# KiCad board SJ-201-R10.kicad_pcb (continued)
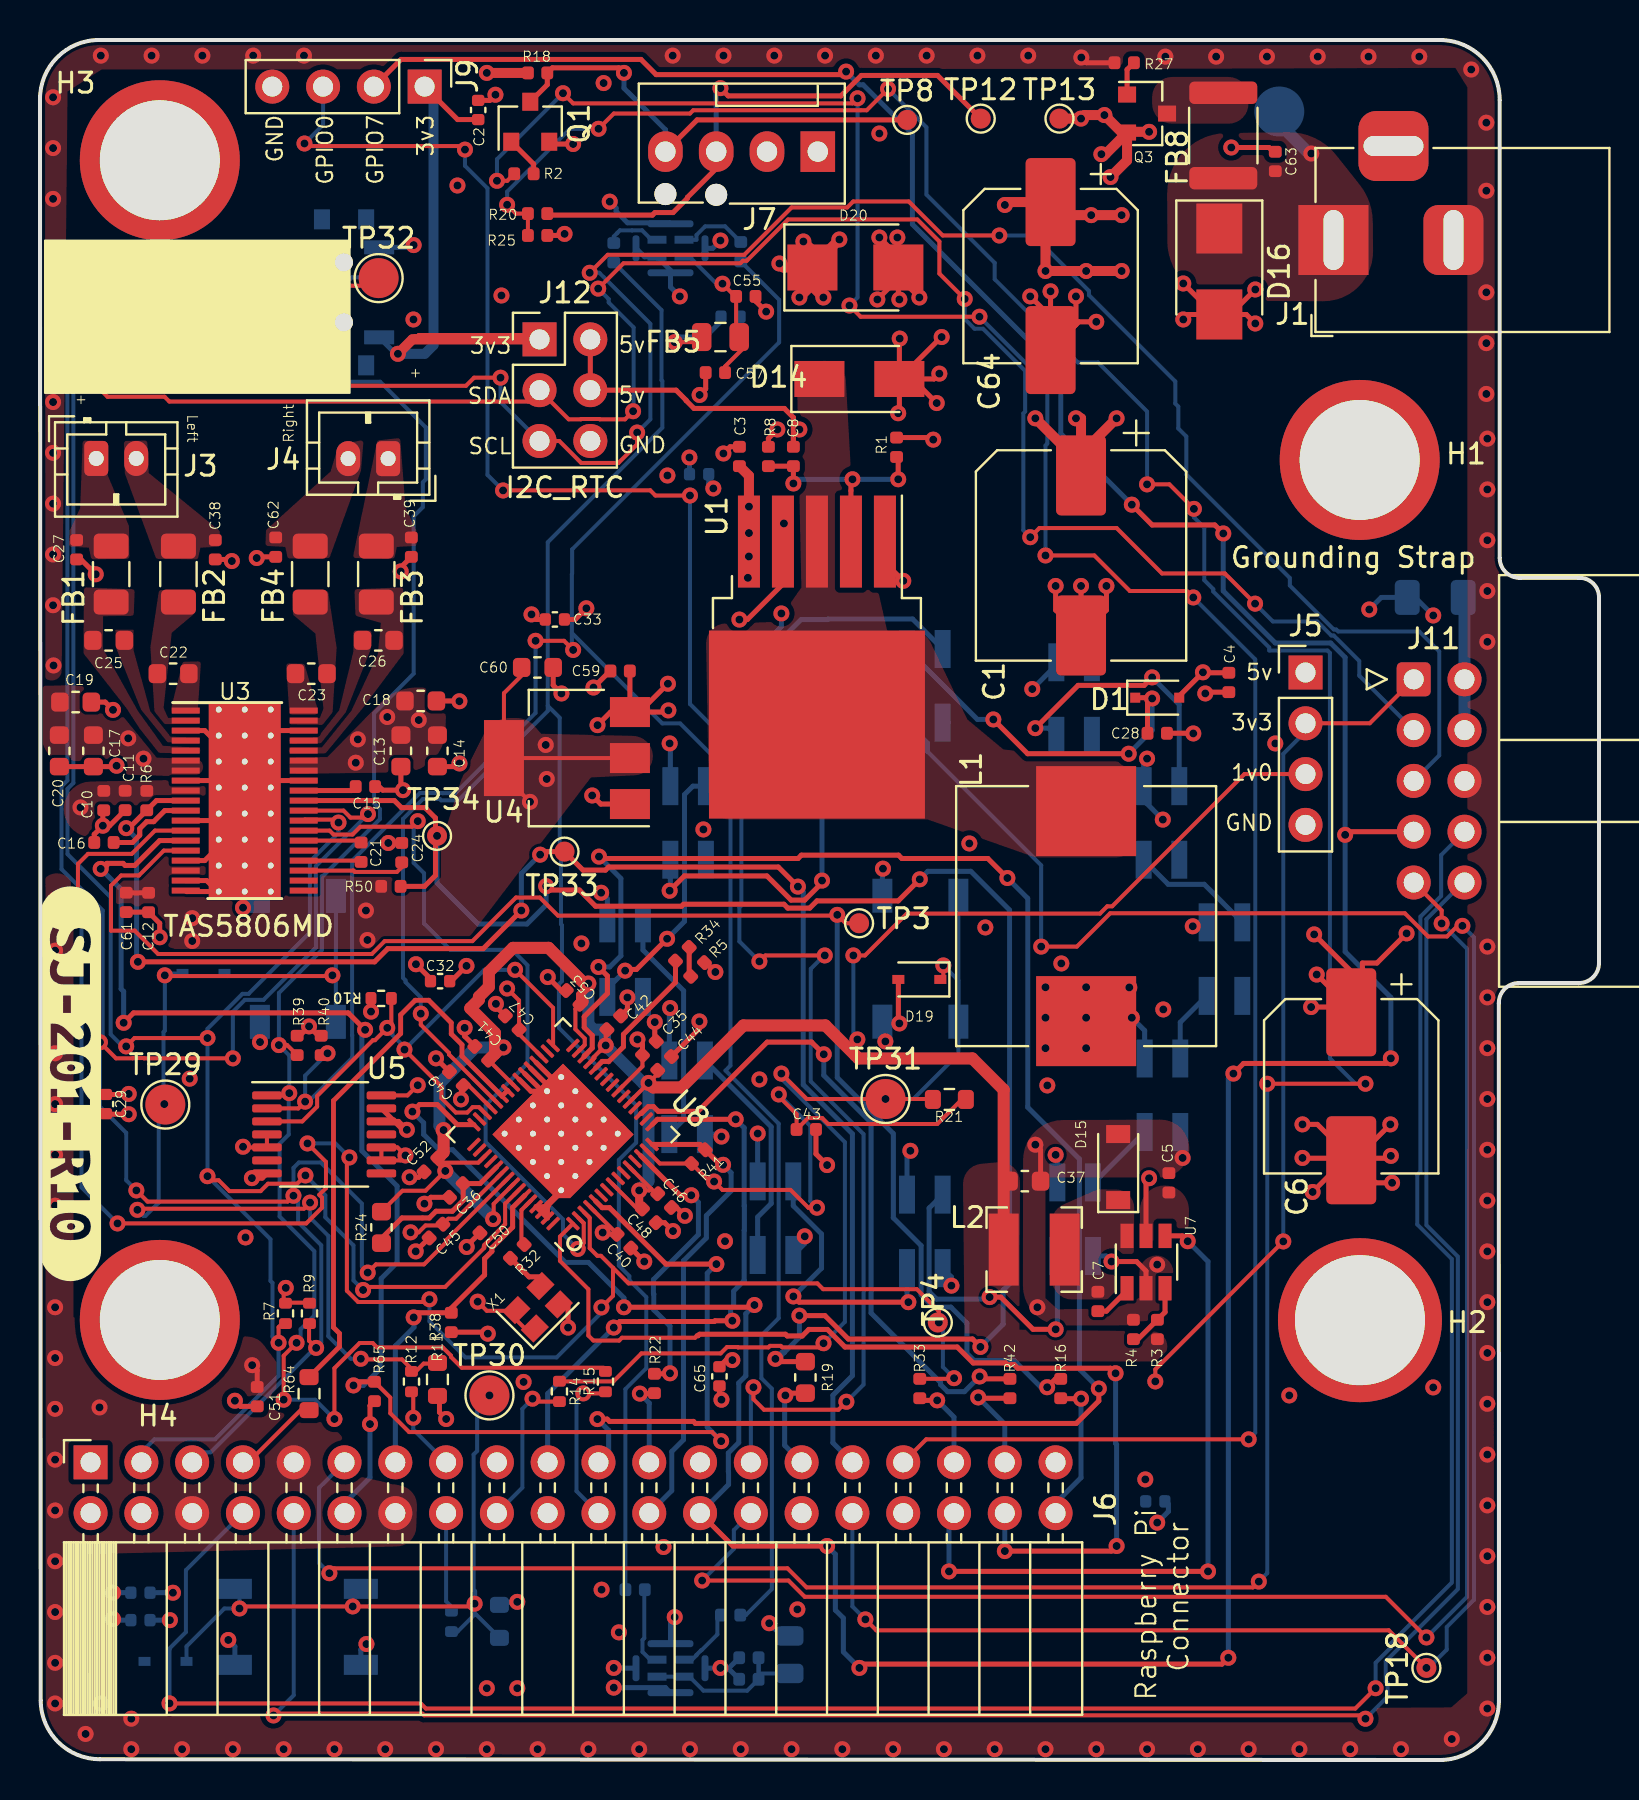
[diagram p0: board, top side]
## Routing (per net, layer and track width the routed paths; a pad name or vN(x,y) marks a point on that pad's centre or on a via; arc(x,y) is an arc through that point) (continued)
I2S_BCLK_PI: length 5.7
  Top w0.25: R65.1 16.5,17.72 v1(16.5,16.8)
  Bottom w0.25: v1(16.5,16.8) 16.5,14.12 15.23,12.84
I2S_DIN_AMP: length 77
  Top w0.2: TP3.1 40.29,41.84 v1(39.87,42.26) 39.83,42.22 25.9,42.22 25,43.13 23.8,43.13 21.62,40.95 17.24,40.95 16.59,40.3 5.91,40.3 4.74,41.47 3.55,41.47 3.55,43.72 4.06,44.23 4.95,44.23 6.19,45.47 U3.15
  Top w0.25: R16.2 50.79,19.06 v1(50.37,18.64)
  Bottom w0.25: v1(50.37,18.64) 50.06,18.64 48.72,19.98 46.71,19.98 46.36,20.33 46.36,21.84 45.56,22.65 44.68,22.65 44.06,23.26 44.06,25.72 42.68,27.11 42.68,31.32 39.87,34.13 v1(39.87,42.26)
I2S_DIN_PI: length 50.4
  Top w0.2: 32.86,21.22 32.76,21.11 29.11,21.11 28.96,20.97 27.68,20.97 27.43,21.22 27.43,23.54 26,24.96 26,26.17 U8.1
  Top w0.25: 32.86,21.22 32.91,21.22 32.99,21.29 37.28,21.29 37.37,21.2 38.12,21.2 38.45,21.53 39.38,21.53 40.26,20.65 45.87,20.65 46.67,19.85 48.29,19.85 48.37,19.77 48.71,19.77 48.89,19.59 53.54,19.59 v1(53.79,19.34) ; v1(53.84,10.7) 53.59,10.45 v1(48.25,10.45)
  Bottom w0.25: J6.38 48.25,10.45 v1(48.25,10.45) ; v1(53.79,19.34) 53.79,15.83 53.84,15.78 v1(53.84,10.7)
I2S_DIN_XMOS: length 36.3
  Top w0.2: U3.26 14.48,46.47 14.68,46.28 15.63,46.28 16.02,46.67 18.61,46.67 v1(18.89,46.95) ; U8.2 27.19,26.84 27.19,25.85 v1(26.89,25.56)
  Bottom w0.2: v1(18.89,46.95) 18.69,46.74 18.69,44.86 19.21,44.34 19.21,41.83 20.53,40.51 23.61,40.51 24.38,39.74 24.38,34.83 22.29,32.74 22.29,30.9 26.16,27.03 26.16,26.29 v1(26.89,25.56)
I2S_DOUT_PI: length 6.8
  Top w0.25: R16.1 51.07,18.07 v1(52.06,18.07)
  Bottom w0.25: 50.79,12.84 52.06,14.12 v1(52.06,18.07)
I2S_LRCK_AMP: length 92.7
  Top w0.2: 28.66,24.61 28.66,23.21 v1(28.08,22.63) ; 28.66,24.61 28.05,25.21 27.87,25.21 27.49,25.59 27.49,27.11 U8.3 ; 28.66,24.61 29.43,23.83 38.88,23.83 39.17,23.54 43.85,23.54 44.95,22.44 v1(44.95,21.88) ; v1(1.9,42.45) 1.9,44.81 2.4,45.31 4.59,45.31 5.75,46.47 U3.13 ; v1(13.38,30.83) 14.3,29.91 14.3,28.6 13.97,28.26 14.11,28.12 14.11,27.62 13.31,26.83 v1(3.88,26.83) ; v1(45.71,19.09) 45.68,19.06 R33.2 ; v1(19.48,23.04) 19.34,22.9 15.91,22.9 15.35,23.46 15.35,30.01 v1(15.47,30.13)
  Bottom w0.2: v1(19.48,23.04) 19.48,21.93 21.28,20.13 25.84,20.13 28.08,22.37 v1(28.08,22.63) ; v1(3.88,26.83) 2.08,28.63 2.08,42.27 v1(1.9,42.45) ; v1(13.38,30.83) 14.77,30.83 v1(15.47,30.13) ; v1(44.95,21.88) 45.15,21.67 45.15,19.65 v1(45.71,19.09)
I2S_MCLK_PI: length 4.3
  Top w0.2: J6.7 10.43,14.88 13.07,17.53 13.35,17.53
I2S_MCLK_XMOS: length 28.7
  Top w0.241: R64.1 14.98,20.67 14.98,21.33 14.68,21.63 14.68,32.97 18.04,36.33 18.04,37.26 18.77,37.99 19.44,37.99 20.57,36.86 20.57,36.3 21.1,35.77 21.1,35.19 U8.40 23.12,33.21 23.37,33.47 U8.39
I2S_WS_PI: length 3.9
  Top w0.25: R33.1 44.11,17.98 v1(44.87,17.98)
  Bottom w0.25: v1(44.87,17.98) 45.71,17.14 45.71,15.38
Neopixel: length 109.5
  Top w0.2: v1(41.28,7.03) 41.82,6.48 67.46,6.48 v1(69.34,4.6) ; v1(50.07,40.67) 51.85,40.67 53.52,42.34 68.26,42.34 69.42,41.18 70.37,41.18 70.9,41.71 v1(71.14,41.71)
  Bottom w0.2: v1(71.14,41.71) 71.72,41.13 71.72,8.01 70.35,6.65 70.35,5.51 69.44,4.6 v1(69.34,4.6) ; v1(50.07,40.67) 50.07,44.74 44.38,50.43 ; J6.32 40.63,7.68 v1(41.28,7.03)
  Bottom w0.25: 44.38,50.43 44.38,50.85 D2.4
SCL: length 219.3
  Top w0.2: v1(12.68,28.22) 12.38,27.92 5.38,27.92 v1(4.82,28.48) ; U8.52 20.31,26 20.31,25.89 19.21,24.78 16.8,24.78 v1(16.39,24.37) ; v1(9.65,35.08) 5.2,35.08 5.19,35.1 4.65,35.1 4.64,35.08 3.8,35.08 v1(3,35.89) ; v1(13.81,20.61) 13.46,20.96 13.46,21.9 ; J12.5 25.97,65.96 27.07,64.86 28.93,64.86 29.86,65.79 v1(29.86,66.38) ; U3.28 15.18,47.47 15.53,47.12 16.23,47.12 v1(16.4,47.3) ; v1(27.49,74.37) 28.39,75.27 35.22,75.27 37.59,77.63 40.37,77.63 40.67,77.93 43.45,77.93 45.15,76.23 v1(47.98,76.23) ; v1(23.03,69.12) 21.71,69.12 21.3,68.71 11.09,68.71 10.85,68.47 4.07,68.47 v1(2.4,70.14)
  Bottom w0.2: 7.61,15.38 8.53,15.38 13.75,20.61 v1(13.81,20.61) 14.07,20.86 14.07,25.74 12.91,26.9 12.91,28.12 12.81,28.22 v1(12.68,28.22) 12.68,29.61 12.95,29.88 14.04,29.88 16.1,27.82 16.1,24.66 v1(16.39,24.37) ; v1(9.65,35.08) 9.65,37.41 10.25,38.01 11.18,38.01 13.8,40.62 13.8,44.69 v1(16.4,47.3) ; v1(29.86,66.38) 30.52,67.04 30.52,71.81 27.97,74.37 v1(27.49,74.37) ; J12.5 23.03,67.91 v1(23.03,69.12) ; v1(4.82,28.48) 4.31,28.99 4.31,31.36 3,32.67 v1(3,35.89) 3.14,36.03 3.14,42.48 1.08,44.54 1.08,48.69 1.37,48.98 1.37,69.11 v1(2.4,70.14) ; J11.5 69.98,50.23 69.98,55.43 68.98,56.43 64.92,56.43 64.83,56.53 64.7,56.53 62.5,58.73 62.5,59.1 57.33,64.28 57.33,66.18 56.93,66.58 56.93,67.68 56.78,67.83 56.78,68.93 52.46,73.25 52.46,73.45 49.68,76.23 v1(47.98,76.23)
SDA: length 201.6
  Top w0.2: v1(8.38,29.19) 8.58,28.99 8.93,28.99 9.48,28.45 11.03,28.45 11.4,28.82 12.86,28.82 v1(13.28,29.23) ; v1(11.93,20.86) 11.93,21.65 12.19,21.9 ; v1(4.31,35.68) 4.73,36.1 v1(8.38,36.1) ; 22.19,25.69 22.19,25.59 20.26,23.65 16.31,23.65 v1(16.16,23.5) ; v1(60.77,57.82) 59.26,59.33 56.11,59.33 53.84,61.6 49.98,61.6 v1(49.52,61.15) ; v1(27.92,73.57) 29.18,74.84 35.03,74.84 35.15,74.97 35.35,74.97 37.41,77.03 43.88,77.03 44.98,75.93 44.98,74.32 v1(46.25,73.06) ; v1(2.4,69.15) 3.38,68.17 6.23,68.17 6.47,67.93 24.41,67.93 J12.3 26.44,67.04 27.05,67.04 27.07,67.06 27.98,67.06 28,67.04 29.25,67.04 v1(29.66,67.44) ; v1(14.93,46.87) 14.78,47.02 13.24,47.02 U3.27 ; U8.54 23.26,27.82 23.26,26.8 22.23,25.76 22.23,25.62
  Bottom w0.2: J11.3 65.98,54.22 65.98,54.95 64.7,56.23 64.58,56.23 63.88,56.93 61.66,56.93 v1(60.77,57.82) ; v1(46.25,73.06) 46.25,72.06 46.74,71.57 47.16,71.57 49.27,69.46 49.27,67.43 49.18,67.34 49.18,61.49 v1(49.52,61.15) ; v1(29.66,67.44) 29.69,67.47 29.69,71.64 28.44,72.88 28.44,73.05 v1(27.92,73.57) ; v1(16.16,23.5) 15.68,23.98 15.68,25.73 14.27,27.14 14.27,28.24 v1(13.28,29.23) ; v1(4.31,35.68) 4.13,35.68 3.53,36.28 3.53,43.14 1.38,45.3 1.38,48.56 1.67,48.86 1.67,68.42 v1(2.4,69.15) ; v1(14.93,46.87) 14.93,46.36 13.5,44.93 13.5,41.37 10.43,38.31 10.12,38.31 8.38,36.56 v1(8.38,36.1) v1(8.38,29.19) 11.53,26.04 11.53,23.96 11.63,23.86 11.63,21.17 v1(11.93,20.86) 11.93,19.21 8.76,16.03 5.72,16.03 5.07,15.38
SPI_CLK: length 4.4
  Top w0.25: v1(30,18.32) 30.7,18.32 R22.2
  Bottom w0.25: v1(30,18.32) 30.47,17.85 J6.23
SPI_CSn: length 23.3
  Top w0.25: v1(34.16,29.76) 34.02,29.76 R41.1 33,30.78 U8.15
  Bottom w0.25: J6.24 31.59,13.47 31.59,15.42 32.18,16.01 32.18,24.96 33.33,26.1 33.33,27.22 34.56,28.46 34.56,29.36 v1(34.16,29.76)
SPI_MISO: length 89.4
  Top w0.25: 28.05,45.08 37.91,45.08 38.08,45.24 42.94,45.24 43.1,45.08 47.4,45.08 v1(48.38,44.1) ; U8.28 27.22,35.2 27.62,35.6 27.62,36.23 27.22,36.63 27.22,37.17 28.38,38.33 28.38,39.21 v1(27.93,39.65) ; v1(27.88,17.05) 28.37,17.05 28.48,16.93 32.68,16.93 32.78,16.83 51.83,16.83 52.95,17.96 v1(52.95,18.57)
  Bottom w0.25: J6.21 28.44,15.4 28.44,16.48 v1(27.88,17.05) ; v1(27.93,39.65) 28.49,39.65 29.05,40.21 29.05,44.08 v1(27.96,45.17) ; v1(48.38,44.1) 49.4,43.09 49.4,32.64 51.98,30.05 51.98,19.54 v1(52.95,18.57)
SPI_MOSI: length 29
  Top w0.25: v1(34.63,21.96) 33.76,21.96 33.72,21.93 29,21.93 v1(28.7,21.62) ; v1(34.79,32.04) 30.88,32.04 U8.16
  Bottom w0.25: v1(28.7,21.62) 25.39,18.32 J6.19 ; v1(34.79,32.04) 35.22,31.61 35.22,27.71 35.22,27.7 35.22,26.48 35.22,26.47 35.22,23.99 35.22,23.98 34.69,23.45 34.69,22.73 34.54,22.58 34.54,22.05 v1(34.63,21.96)
TAS_Fault: length 78
  Top w0.25: v1(4.9,39.91) 16.73,39.91 17.39,40.57 22.17,40.57 v1(24.07,42.48) ; U3.10 5.82,47.97 R6.2 4.44,46.6 v1(4.31,46.6) ; v1(25.01,45.27) 25.17,45.42 TP33.1 ; v1(37.9,43.67) 36.93,44.65 28.43,44.65 28.28,44.5 27.16,44.5 26.56,45.09
  Bottom w0.25: v1(37.9,43.67) 38.17,43.4 38.17,33.77 40.63,31.31 40.63,19.21 39.65,18.24 39.65,15.86 J6.31 ; v1(25.01,45.27) 24.07,44.33 v1(24.07,42.48) ; v1(4.9,39.91) 4.83,39.98 4.83,46.08 v1(4.31,46.6)
UART_RXD_PI: length 110.6
  Top w0.2: v1(66.29,2.06) 66.12,2.23 19.21,2.23 19.13,2.32 11.77,2.32 v1(11.68,2.23)
  Bottom w0.2: J6.10 12.69,3.24 v1(11.68,2.23) ; v1(66.29,2.06) 67.4,3.17 67.4,3.84 67.3,3.93 67.3,4.94 70.91,8.54 70.91,25.18 69.34,26.75 69.34,42.04 71.24,43.95
UART_TXD_PI: length 118
  Top w0.2: v1(6.48,2.83) 6.48,2.83 19.04,2.83 19.3,2.57 65.78,2.57 v1(66.8,3.59)
  Bottom w0.2: J6.8 7.3,9.49 7.3,6.4 6.45,5.55 6.48,5.53 v1(6.48,2.83) ; J11.8 70.07,45.25 70.07,43.2 69.04,42.17 69.04,29.43 68.88,29.27 68.88,26.78 70.61,25.05 70.61,8.87 67.56,5.82 67.56,5.62 66.8,4.86 v1(66.8,3.59)
XMOS_Reset: length 17
  Top w0.25: v1(18.69,22.13) 18.92,22.36 R38.1 20.57,22.59 22.23,24.26 22.23,25.07 22.6,25.43 22.6,25.61 23.64,26.64 23.64,27.63 U8.55
  Bottom w0.25: v1(18.69,22.13) 18.71,22.11 18.71,21.64 17.77,20.7 J6.13
Net-(C7-Pad2): length 2
  Top w0.25: U7.1 54.36,23.48 53.33,22.44 C7.2
Net-(C8-Pad2): length 11.7
  Top w0.25: R8.2 C8.2 v1(37.68,63.83) ; v1(40.63,64.04) 40.56,63.96 U1.2 ; v1(42.92,64.04) 42.92,65.08 R1.2
  Bottom w0.25: v1(37.68,63.83) 37.89,64.04 v1(40.63,64.04) v1(42.92,64.04)
Net-(C21-Pad1): length 2.9
  Top w0.2: U3.23 15.99,44.97 C21.1
Net-(C21-Pad2): length 2.9
  Top w0.2: U3.25 15.96,45.97 C21.2
Net-(C24-Pad1): length 5.3
  Top w0.2: U3.22 15.68,44.47 15.75,44.41 17.85,44.41 18.09,44.65 C24.1
Net-(C28-Pad1): length 19.2
  Top w0.25: D1.1 55.58,53.12 v1(55.62,53.08) 55.39,52.85 C28.1 ; v1(47.68,52.03) 49.39,50.32 v1(54.45,50.32)
  Bottom w0.25: v1(54.45,50.32) 55.62,51.49 v1(55.62,53.08) ; D2.1 46.88,52.03 v1(47.68,52.03)
Net-(D2-Pad2): length 14.5
  Bottom w0.25: D2.2 43.64,57.05 39.42,57.05 39.39,57.03 38.06,57.03 36.77,55.74 36.77,52.04 D3.4
Net-(D3-Pad2): length 21.9
  Top w0.25: v1(31.49,43.47) 32.23,44.21 36.36,44.21 37.56,43 38.24,43 39.11,43.86 v1(39.11,43.97)
  Bottom w0.25: D3.2 37.62,52.96 39.11,51.47 v1(39.11,43.97) ; D4.4 31.52,43.5 v1(31.49,43.47)
Net-(D4-Pad2): length 13.3
  Top w0.25: v1(29.26,39.47) 29.32,39.53 29.83,39.53 v1(31.36,41.06)
  Bottom w0.25: v1(31.36,41.06) 32.23,41.93 32.23,48.27 32.65,48.69 D4.2 ; v1(29.26,39.47) 28.37,38.58 D5.4
Net-(D5-Pad2): length 11.7
  Bottom w0.25: D6.4 32.19,32.01 32.19,38.47 30.15,40.5 D5.2
Net-(D6-Pad2): length 11.4
  Bottom w0.25: D7.4 35.89,27.15 36.57,27.83 36.57,31.66 D6.2
Net-(D7-Pad2): length 14.5
  Top w0.25: v1(37.68,23.18) 37.97,22.89 v1(43.43,22.89)
  Bottom w0.25: D8.4 43.36,22.96 v1(43.43,22.89) ; v1(37.68,23.18) 39.09,24.59 39.09,26.3 37.67,27.71 D7.2
Net-(D8-Pad2): length 16
  Top w0.25: v1(47.49,23.15) 48.05,23.15 49.66,21.54 v1(50.79,21.54)
  Bottom w0.25: D8.2 44.46,27.6 44.46,23.42 44.84,23.05 47.39,23.05 v1(47.49,23.15) ; v1(50.79,21.54) 50.88,21.62 D9.4
Net-(D10-Pad2): length 3.7
  Bottom w0.25: D11.4 57.03,36.89 D10.2
Net-(D10-Pad4): length 3.6
  Bottom w0.25: D9.2 52.73,28.88 D10.4
Net-(D11-Pad2): length 6.2
  Bottom w0.25: D12.4 56.42,43.79 58.22,43.79 D11.2
Net-(D12-Pad2): length 14.1
  Top w0.25: v1(55.62,54.13) 55.22,53.73 51.92,53.73 v1(49.78,51.59)
  Bottom w0.25: v1(55.62,54.13) 56.98,52.78 D12.2 ; D13.4 50.44,51.59 v1(49.78,51.59)
Net-(J6-Pad15): length 4.2
  Top w0.2: R12.1 18.67,18.32 v1(18.67,17.11)
  Bottom w0.2: J6.15 18.67,16.53 v1(18.67,17.11)
Net-(J6-Pad16): length 4.8
  Bottom w0.2: 20.57,7.68 20.31,7.94 J6.16
Net-(J6-Pad18): length 7.9
  Top w0.2: v1(24.63,18.07) 24.78,17.92 R14.1
  Bottom w0.2: v1(24.63,18.07) 24.12,17.56 24.12,13.62 J6.18
Net-(J6-Pad22): length 7.7
  Top w0.2: v1(27.17,18.33) 28.2,18.33 R15.1
  Bottom w0.2: J6.22 26.83,13.44 26.83,17.99 v1(27.17,18.33)
Net-(J6-Pad29): length 4.8
  Top w0.25: R19.2 37.39,18.34 v1(37.28,18.23)
  Bottom w0.25: v1(37.28,18.23) 37.24,18.19 37.24,15.73 J6.29
Net-(Q1-Pad1): length 2.1
  Top w0.25: R2.1 24.69,79.8 Q1.1
Net-(Q3-Pad1): length 1.7
  Top w0.25: R27.1 54.37,84.53 Q3.1
Net-(R3-Pad2): length 3.3
  Top w0.25: R4.2 54.91,21.04 R3.2 56.26,22.39 U7.3
Net-(R22-Pad1): length 14.5
  Top w0.25: v1(32.57,28.24) 32.02,28.24 U8.13 ; R22.1 31.48,19.31 v1(31.51,19.34)
  Bottom w0.25: v1(32.57,28.24) 32.93,27.88 32.93,26.27 30.68,24.02 30.68,23.32 30.7,23.3 30.7,22.51 31.51,21.7 v1(31.51,19.34)
Net-(R32-Pad2): length 1.9
  Top w0.25: 25.06,24.16 24.46,24.16 R32.2
Net-(R34-Pad1): length 7.2
  Top w0.25: U8.26 28.12,34.93 28.42,34.93 28.43,34.92 29.18,35.66 29.18,36.28 31.78,38.89 R34.1
Net-(R34-Pad2): length 1.5
  Top w0.25: R5.1 32.47,39.26 R34.2
Net-(R42-Pad1): length 34
  Top w0.25: U8.18 30.08,32.34 30.41,32.67 30.68,32.67 30.92,32.44 32.91,32.44 36.37,35.9 38.59,35.9 v1(39.2,35.29) ; v1(46.99,19.18) 47.11,19.06 R42.1
  Bottom w0.25: v1(39.2,35.29) 39.2,34.24 41.56,31.87 41.56,22.35 45.04,18.88 45.04,18.77 45.39,18.42 46.23,18.42 v1(46.99,19.18)
Net-(R43-Pad2): length 2.9
  Bottom w0.2: 30.86,76.02 30.58,76.02 30.11,76.49 29.62,76.49 29.61,76.49 29,76.49 28.85,76.34 ; 28.9,76.39 28.7,76.18 R43.2
Net-(R44-Pad2): length 3.6
  Bottom w0.2: R44.2 34.26,76.69 33.27,76.69 32.83,76.26 32.83,76.02 32.21,76.02
Net-(R45-Pad2): length 4
  Bottom w0.2: R45.2 30.22,8.49 30.22,6.09 30.13,6.01 30.13,5.4 30.52,5.02 U11.CLK
Net-(R46-Pad2): length 3.2
  Bottom w0.2: U11.DOUT 32.61,5.02 32.83,5.24 32.83,5.26 33.07,5.49 33.09,5.49 33.88,6.28 33.88,7.23

## Copper pours and planes (outline as drawn; the poured copper is in the pictures)
12v_Unregulated on Top: 66.64,77.96 66.69,72.93 56.38,72.98 56.37,81.31 63.9,81.41
+1V0 on Top: 46.25,19.93 46.15,29.73 49.02,29.99 48.98,21.51 56.38,21.43 56.38,19.93
+5V on Top: 55.01,28.73 57.47,28.73 57.45,25.67 55,25.65
+5V on In2.Cu: 7.1,13.33 7.08,5.23 8.58,3.93 57.58,4.09 59.18,6.13 59.51,27.03 57.68,28.23 35.55,28.13 35.35,32.44 27.37,43.42 27.27,45.45 27.73,53.53 37.28,58.33 37.58,68.33 46.09,68.26 46.28,61.63 47.88,60.3 72.98,60.4 72.88,-1.67 41.9,-3.02 40.13,-4.03 28.19,-3.78 26.16,-4.03 -0.85,-3.97 -0.42,13.43
/Power/5v_unfiltered on Top: 36.88,56.91 38.08,58.63 37.84,69.93 40.25,69.98 40.56,64.44 42.38,56.43 44.28,56.43 46.38,52.03 48.18,50.53 54.78,49.83 54.8,45.13 49.78,45.13 44.4,47.03 33.48,47.03 33.29,56.8
DVDD on Top: 24.38,52.1 25.06,51.32 30.6,51.19 30.7,49.28 27.55,49.13 20.82,40.29 7.21,40.42 3.65,41.49 3.55,43.72 5.78,46.11 1.21,46.16 1.16,48.9 7.08,49.01 19.98,45.53 21.08,49.05 22.6,52.1
DVDD on In2.Cu: 20.82,48.55 22.5,52.27 23.74,56.12 23.9,72.31 33.5,72.36 33.38,58.53 26.87,54.11 26.21,43.26 34.28,32.04 34.33,27.57 38.7,26.55 57.45,26.5 57.35,5.37 9.29,5.37 9.36,14.24 4.27,14.07 4.2,17.91 8.88,24.63 -0.92,26.43 -4.81,48.47 14.98,48.57
GND on Top: 49.15,21.72 49.17,31.99 57.48,32.03 57.48,29.13 50.28,29.13 50.28,23.1 50.9,22.54 53.68,22.58 54.68,22.93 54.98,23.13 54.98,25.23 56.68,25.23 56.68,22.03 54.88,21.93 54.88,21.74
GND on Top: -1.12,54.13 -1.16,44.36 1.68,44.33 1.68,22.13 10.92,21.11 13.96,17.05 15.23,16.16 15.28,14.33 18.88,13.53 18.79,10.7 2.38,10.29 2.43,2.22 70.58,2.63 71.38,3.33 71.38,86.47 72.98,87.03 72.98,-0.57 -6.56,-18.51 -4.2,35.97 -2.9,90.61 71.28,89.17 71.58,83.33 70.78,84.61 55.37,84.56 3.08,84.53 1.38,83.43 1.08,53.93
GND on Bottom: 72.88,-2.37 9.14,-10.76 -8.36,-9.67 -8.9,25.79 -4.44,43.65 -9.02,93.63 60.35,92.52 72.98,91.83
GND on In1.Cu: 72.98,-1.67 -28.45,-31.46 -14.76,96.2 73.08,91.83
PVDD on Top: -0.52,53.73 0.55,53.72 1.49,53.74 2.98,53.63 5.84,50.12 8.17,50.05 8.15,49.26 6.39,49.21 -0.62,49.41
PVDD on Top: 20.31,53.63 20.26,49.41 12.47,49.31 12.47,50.12 14.37,50.15 17.78,53.63
PVDD on In2.Cu: 21.08,82.33 21.98,84.83 57.08,84.83 57.38,66.03 48.28,66.13 46.6,69.52 37.28,69.63 36.68,68.93 36.38,58.63 34.78,58.63 34.88,73.13 33.28,75.03 24.68,75.01 23.03,73.83 22.82,56.27 22.4,54.08 21.9,53.25 19.93,49.41 2.18,49.43 2.18,55.03 16.58,55.03 19.38,59.23 19.48,73.73 19.68,78.03
/AudioAmp/BSTA+ on Top: 7.88,51.12 6.53,51.17 5.51,52.44 4.68,55.48 4.68,56.52 3.77,56.52 3.82,55.58 5.06,52.52 6.38,50.89 7.88,50.86
/AudioAmp/BSTA- on Top: 8.05,54.94 7.14,54.91 6.58,52.67 6.58,52.34 7.88,52.35
/AudioAmp/BSTB+ on Top: 12.47,51.12 13.9,51.15 14.96,52.49 15.67,55.44 15.67,56.48 16.59,56.48 16.54,55.54 15.29,52.39 14.05,50.84 12.47,50.82
/AudioAmp/BSTB- on Top: 12.31,54.84 13.22,54.81 13.87,52.59 13.87,52.26 12.47,52.26
/AudioAmp/Left+ on Top: 2.44,60.62 1.45,60.67 1.48,61.46 2.01,62.6 2.14,65.98 3.36,65.93 3.38,64.25 4.45,61.71 4.47,60.06 2.57,60.04
/AudioAmp/Left- on Top: 8.02,60.62 9.01,60.67 8.99,61.46 5.44,64.35 5.36,65.98 4.19,65.95 4.24,64.33 5.81,60.06 7.9,60.04
/AudioAmp/OUT_A1+ on Top: 8.01,50.61 6.15,50.71 4.89,52.47 3.15,55.57 3.15,57.19 4.69,57.22 4.74,58.54 2.2,58.64 2.17,55.34 4.31,52.62 4.98,51.58 5.95,50.36 8.01,50.33
/AudioAmp/OUT_A1- on Top: 7.98,51.82 7.95,52.11 6.4,52.11 6.18,52.61 6.59,56.37 7.71,57.31 7.73,58.5 5.95,58.5 5.52,55.66 5.72,52.43 6.23,51.8
/AudioAmp/OUT_B1+ on Top: 12.45,50.61 14.1,50.64 15.57,52.47 16.89,55.29 17.05,56.86 15.78,57.22 15.73,58.54 18.16,58.64 18.19,55.34 16.16,52.62 15.34,51.63 14.28,50.33 12.45,50.33
/AudioAmp/OUT_B1- on Top: 12.45,51.78 12.47,52.11 14,52.11 14.18,52.57 13.77,56.33 12.65,57.27 12.63,58.46 14.4,58.46 14.84,55.62 14.63,52.39 14.13,51.76
/AudioAmp/Right+ on Top: 17.85,60.66 18.84,60.71 18.81,61.5 18.28,62.64 18.01,66.11 16.87,65.98 15.64,60.1 17.72,60.07
/AudioAmp/Right- on Top: 12.27,60.66 11.28,60.71 11.3,61.5 14.53,64.43 14.94,65.78 16.18,66.01 16.06,64.48 14.48,60.1 12.39,60.08
Net-(C7-Pad1) on Top: 53.88,23.03 51.15,23.03 50.59,23.71 50.59,27.52 52.88,28.53 54.73,28.53 54.69,24.33 53.88,24.33
Net-(FB8-Pad2) on Top: 60.42,84.16 60.45,81.82 55.62,81.82 55.62,84.16

## Text on the board
B.Silkscreen: 3v3 / SDA / SCL | 5v / 3v3 / 1v0 / GND | 3v3 / SDA / SCL / GPIO7 / GPIO1 | 5v / 5v / GND | GND / GPIO0 / GPIO7 / 3v3 | PWM / Tach / 12v / GND | 5V / 0.5A PTC / 5V / GND / TXD / RXD | 5V / 5V / GND / TXD / RXD / 18 / GND / GP23 / GP24 / GND / GP25 / SPI CSn / GP07 / GP01 / GND / GP12 / GND / 1v EN / I2S DIN / I2S DOUT | SDA / SCL / MCLK / GND / FanTach / XMOS Reset / GP22 / MOSI / MISO / CLK / GND / SDA / GP05 / TFLT / GP13 / I2S LRCK / Boot_SEL / GND | Right | Left | + | Fan | GND
F.Silkscreen: Right | + | Left | 5v / 5v / GND | 3v3 / SDA / SCL | 5v / 3v3 / 1v0 / GND | GND / GPIO0 / GPIO7 / 3v3 | Raspberry Pi / Connector
